# KiCad board pcb.kicad_pcb (continued)
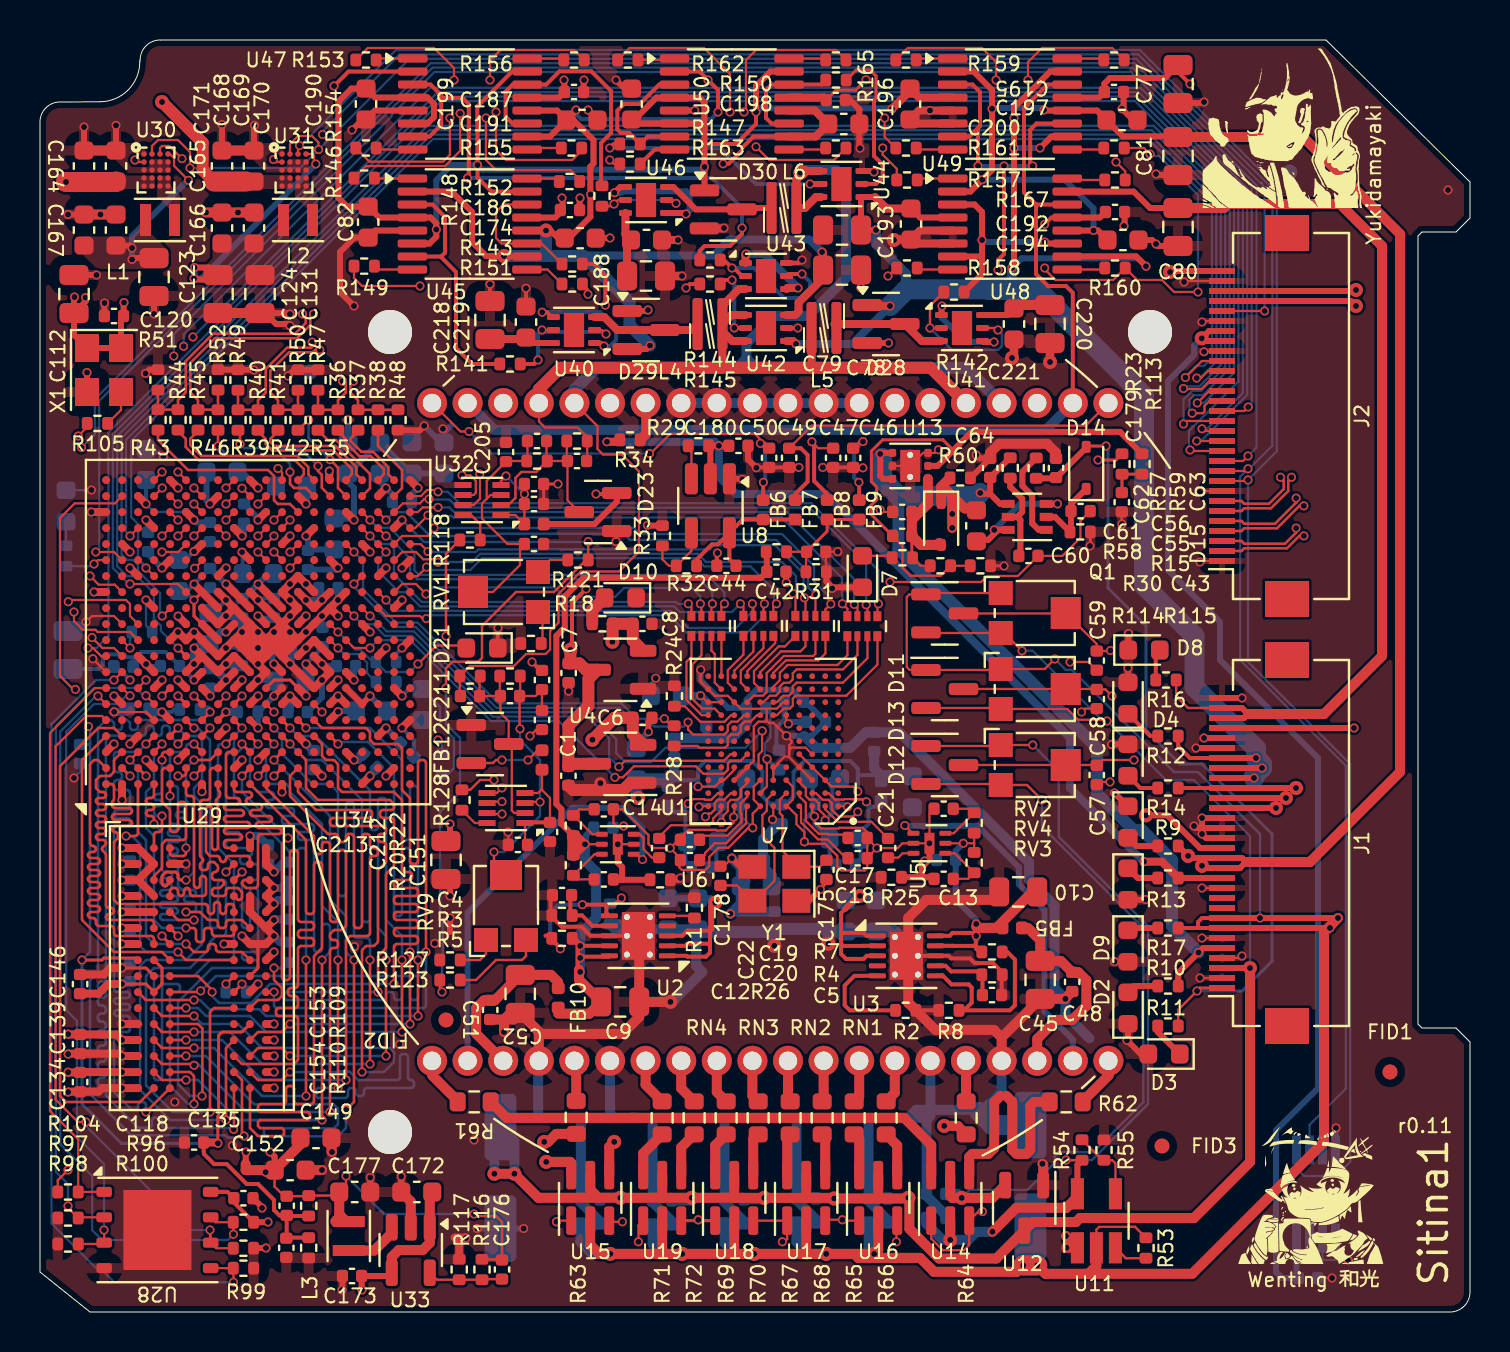
[diagram p0: board, top side]
## Nets (continued)
CSI_D2: RN1.1 U27.Y19
CSI_D3: RN1.2 U27.W18
CSI_D4: RN1.4 U27.Y17
CSI_D5: RN2.1 U27.W16
CSI_D6: RN2.3 U27.Y16
CSI_D7: RN2.4 U27.W15
CSI_D8: RN1.3 U27.Y18
CSI_D9: R28.2 U27.T16
CSI_D10: RN3.1 U27.Y14
CSI_D11: RN3.2 U27.V12
CSI_D12: RN2.2 U27.V18
CSI_D13: RN3.3 U27.V13
CSI_D14: RN3.4 U27.V16
CSI_D15: RN4.2 U27.V17
CSI_HSYNC: RN4.4 U27.U17
CSI_PIXCLK: RN4.1 U27.U18
CSI_VSYNC: RN4.3 U27.W13
DRV_FDG_HI: R167.1 U27.K19
DRV_FDG_LO: R168.2 U27.E18
DRV_V1_PDN_HI: R164.1 U27.J20
DRV_V1_PDN_LO: R165.2 U27.G18
DRV_V1_PLO_HI: R162.1 U27.G19
DRV_V1_PLO_LO: R163.2 U27.J19
DRV_V1_SELL_HI: R155.1 U27.D19
DRV_V1_SELL_LO: R156.2 U27.E17
DRV_V2_PDN_HI: R151.1 U27.H17
DRV_V2_PDN_LO: R152.2 U27.D20
DRV_V2_PHI_HI: R159.1 U27.F17
DRV_V2_PHI_MID: R161.2 U27.G17
DRV_V2_PLO_HI: R153.1 U27.F16
DRV_V2_PLO_LO: R154.2 U27.F20
DRV_V2_SELH_HI: R157.1 U27.G15
DRV_V2_SELH_MID: R158.2 U27.M20
DRV_V2_SELH_PHI_LO: R160.2 R166.2 U27.L19
DRV_V2_SELL_HI: R146.1 U27.E19
DRV_V2_SELL_LO: R149.2 U27.J18
DSI_HS_CKN: R37.2 U27.W20
DSI_HS_CKP: R36.2 U27.V20
DSI_HS_D0N: R41.2 U27.U20
DSI_HS_D0P: R40.2 U27.T20
DSI_HS_D1N: R45.2 U27.P20
DSI_HS_D1P: R44.2 U27.N20
DSI_LP_CKN: R38.2 U27.W19
DSI_LP_CKP: R35.2 U27.U19
DSI_LP_D0N: R42.2 U27.T19
DSI_LP_D0P: R39.2 U27.R19
DSI_LP_D1N: R46.2 U27.P19
DSI_LP_D1P: R43.2 U27.N18
FDG_CCD: U10.22 U10.39 U48.14 U49.14
FPGA_TCK: J2.15 U27.F9
FPGA_TDI: J2.14 U27.G6
FPGA_TDO: J2.13 U27.F6
FPGA_TMS: J2.12 U27.J6
H1BINL_CCD: R64.2 U10.5
H1BINR_CCD: R63.2 U10.16
H1BL_CCD: R68.2 U10.9
H1BR_CCD: R69.2 U10.12
H1SL_CCD: R65.2 U10.8
H1SR_CCD: R72.2 U10.13
H2BL_CCD: R67.2 U10.10
H2BR_CCD: R70.2 U10.11
H2SL_CCD: R66.2 U10.7
H2SR_CCD: R71.2 U10.14
I2C0_SCL: J2.10 U9.2 U27.B13 U31.B1
I2C0_SDA: J2.9 U9.1 U27.B9 U31.A3
I2C1_SCL: U27.C10 U30.B1
I2C1_SDA: U27.C11 U30.A3
MIPI_CKN: J2.7 R37.1 R38.1 R48.2
MIPI_CKP: J2.6 R35.1 R36.1 R47.2
MIPI_D0N: J2.5 R41.1 R42.1 R50.2
MIPI_D0P: J2.4 R39.1 R40.1 R49.2
MIPI_D1N: J2.3 R45.1 R46.1 R52.2
MIPI_D1P: J2.2 R43.1 R44.1 R51.2
PS_POR_B: J2.11 U27.C7
PS_UART_RX: U27.C12
PS_UART_TX: U27.B12
PWREN: J2.26 U30.A2 U31.A2
QSPI_DATA0: R99.2 U27.B8 U28.5
QSPI_DATA1: R97.2 U27.D6 U28.2
QSPI_DATA2: R98.2 U27.B7 U28.3
QSPI_DATA3: R96.2 U27.A6 U28.7
QSPI_SCLK: R100.2 U27.A5 U28.6
QSPI_SS0: R104.2 U27.A7 U28.1
RL_CCD: R62.2 U10.1
RR_CCD: R61.2 U10.20
SDIO_CLK: J2.21 U27.D14
SDIO_CMD: J2.20 U27.C17
SDIO_DAT0: J2.19 U27.E12
SDIO_DAT1: J2.18 U27.A9
SDIO_DAT2: J2.17 U27.F13
SDIO_DAT3: J2.16 U27.B15
SDIO_DET: U27.B14
SPI1_MISO: U27.C6
SPI1_MOSI: U27.E9
SPI1_SCLK: U27.D9
SPI1_SS0: U27.E8
TCON_H1: C58.1 U27.L16
TCON_H2: C59.1 U27.L15
TCON_RG: C57.1 U27.L17
TCON_STROBE: C60.2 C61.2 U27.M15
USB0_CLKOUT: U27.A11
USB0_DATA0: U27.A14
USB0_DATA1: U27.D15
USB0_DATA2: U27.A12
USB0_DATA3: U27.F12
USB0_DATA4: U27.C16
USB0_DATA5: U27.A10
USB0_DATA6: U27.E13
USB0_DATA7: U27.C18
USB0_DIR: U27.C13
USB0_NXT: U27.E16
USB0_STP: U27.C15
VAB_PWM: R23.2 U27.B19
VSUB_CCD: C64.1 D15.1 R60.1 U10.34
XADC_SAMPLE: R118.1 R128.1
XADC_V1_N: U27.N16 U34.6
XADC_V1_P: U27.N15 U34.7
XADC_V2_N: U27.M18 U32.6
XADC_V2_P: U27.M17 U32.7
Net-(C43-Pad1): C43.1 FB8.1 FB9.1 R30.2 R31.1
Net-(C179-Pad2): C179.2 R23.1 R113.2
Net-(D1-A): D1.2 R9.1
Net-(D2-A): D2.2 R10.1
Net-(D3-K): D3.1 R11.1
Net-(D4-K): D4.1 R12.1
Net-(D5-K): D5.1 R13.1
Net-(D6-A): D6.2 R14.1
Net-(D7-A): D7.2 R15.1
Net-(D8-A): D8.2 R16.1
Net-(D9-K): D9.1 R17.1
Net-(D10-A): D10.2 R18.1
Net-(D14-K): C61.1 D14.1 Q1.2 R58.1
Net-(D22-A): D22.2 R56.2
Net-(D23-COM): C203.1 C204.2 D23.3 R119.1 R120.2 U32.2
Net-(D24-COM): C208.2 C209.1 D24.3 R125.2 R126.1 U34.2
Net-(D28-COM): D28.3 L5.2 U41.3
Net-(D29-COM): D29.3 L4.1 U40.3
Net-(D30-COM): D30.3 L6.1 U46.3
Net-(L1-Pad1): L1.1 U30.D3 U30.D4 U30.E3 U30.E4
Net-(L2-Pad1): L2.1 U31.D3 U31.D4 U31.E3 U31.E4
Net-(Q1A-C1): C64.2 Q1.3 Q1.6
Net-(Q1A-E1): Q1.1 R59.1
Net-(Q1B-B2): C60.1 Q1.5 R57.2
Net-(R121-Pad1): R121.1 RV1.3
Net-(R122-Pad2): R122.2 RV1.1
Net-(R123-Pad1): R123.1 RV9.3
Net-(R127-Pad2): R127.2 RV9.1
Net-(R146-Pad2): R146.2 U45.1
Net-(R149-Pad1): R149.1 U45.8
Net-(R151-Pad2): R151.2 U45.9
Net-(R152-Pad1): R152.1 U45.16
Net-(R153-Pad2): R153.2 U47.1
Net-(R154-Pad1): R154.1 U47.8
Net-(R155-Pad2): R155.2 U47.9
Net-(R156-Pad1): R156.1 U47.16
Net-(R157-Pad2): R157.2 U48.1
Net-(R158-Pad1): R158.1 U48.8
Net-(R159-Pad2): R159.2 U49.1
Net-(R160-Pad1): R160.1 U48.9
Net-(R161-Pad1): R161.1 U49.8
Net-(R162-Pad2): R162.2 U50.1
Net-(R163-Pad1): R163.1 U50.8
Net-(R164-Pad2): R164.2 U50.9
Net-(R165-Pad1): R165.1 U50.16
Net-(R166-Pad1): R166.1 U49.9
Net-(R167-Pad2): R167.2 U48.16
Net-(R168-Pad1): R168.1 U49.16
Net-(U2-ILIM): R1.1 U2.5
Net-(U2-PGFB): R5.2 R6.1 U2.6
Net-(U2-SET): C4.1 R3.1 U2.7
Net-(U3-ILIM): R2.1 U3.5
Net-(U3-PGFB): R7.2 R8.1 U3.6
Net-(U3-SET): C5.1 R4.1 U3.7
Net-(U5-IDRV): C13.1 R21.2 U5.4
Net-(U5-ISF): C11.1 R19.2 U5.6
Net-(U5-OUT): C21.2 U5.3
Net-(U6-IDRV): C14.1 R22.2 U6.4
Net-(U6-ISF): C12.1 R20.2 U6.6
Net-(U6-OUT): C22.2 U6.3
Net-(U7-CCDIN_A): C21.1 U7.A2
Net-(U7-CCDIN_B): C22.1 U7.A10
Net-(U7-CLIVDD): C36.1 C37.1 FB4.2 U7.A6
Net-(U7-CLO): C178.2 U7.B6 Y1.3
Net-(U7-LDOIN_A): C38.1 C39.1 FB3.2 U7.B2
Net-(U7-LDOIN_B): C40.1 C41.1 FB2.2 U7.B10
Net-(U7-REFB_A): C18.1 U7.A4
Net-(U7-REFB_B): C20.1 U7.A8
Net-(U7-REFT_A): C17.1 U7.B4
Net-(U7-REFT_B): C19.1 U7.B8
Net-(U7-SYNC): R24.2 U7.H9
Net-(U7-TCVDD): C28.2 FB1.1 U7.B7
Net-(U8-EN): R29.2 U8.3
Net-(U8-NR/FB): R32.2 R33.1 U8.4
Net-(U10-ESD): R34.2 U10.27
Net-(U11-EN): R53.2 U11.3
Net-(U11-NR/FB): R54.2 R55.1 U11.4
Net-(U13-FB): C55.1 R113.1 R114.1 R115.2 U13.2
Net-(U27G-PS_DDR_VRN_502): R108.2 U27.G5
Net-(U27G-PS_DDR_VRP_502): R107.2 U27.H5
Net-(U29-ZQ): R111.2 U29.L8
Net-(U32-DEN): C201.1 C202.2 FB13.1 U32.1 U32.4
Net-(U32-SEN): R118.2 U32.8
Net-(U33-FB): C176.1 R116.1 R117.2 U33.5
Net-(U33-SW): L3.1 U33.3
Net-(U34-DEN): C212.1 C213.2 FB12.1 U34.1 U34.4
Net-(U34-SEN): R128.2 U34.8
Net-(U40A-G): R141.1 U40.2 U40.5
Net-(U40A-S): U40.1 U40.4
Net-(U41A-G): R142.1 U41.2 U41.5
Net-(U41A-S): U41.1 U41.4
Net-(U42A-G): R143.2 U42.2
Net-(U42B-G): R145.2 U42.5
Net-(U43A-G): R144.1 U43.2 U43.5
Net-(U43A-S): U43.1 U43.4
Net-(U44A-G): R150.2 U44.2
Net-(U44B-G): R147.1 U44.5
Net-(U46A-G): R148.1 U46.2 U46.5
Net-(U46A-S): U46.1 U46.4
Net-(X1-OUT): R105.1 X1.3

Pads without a net: J1 MP; J2 MP; U2 4; U3 4; U7 B1 B11 C1 C11 D1 D2 D5 D10 D11 E1 E2 E10 E11 F1 F2 F3 F4 F8 F9 F10 F11 G1 G2 G3 G4 G8 G9 G10 G11 H1 H2 H3 H4 J1 J2 J3 J4 K1 K2 K3 K4 K5 L1 L2 L3 L4 L5 L11; U9 3; U27 A16 A17 A19 A20 B5 B17 B18 B20 C5 C8 C20 D10 D11 D13 D16 D18 E6 E11 E14 F14 F15 F19 G14 G20 H15 H16 H18 H20 J14 J15 J16 K14 K16 K17 K18 L14 L20 M14 M19 N17 P1 P3 P14 P15 P16 P18 R1 R2 R3 R14 R16 R17 R18 T1 T2 T4 T5 T9 T14 T15 T17 U2 U3 U4 U5 U7 U8 U9 U10 U13 U15 V1 V2 V3 V5 V6 V7 V8 V10 V11 V15 W1 W3 W4 W5 W6 W8 W9 W10 W11 W14 Y1 Y2 Y3 Y4 Y6 Y7 Y8 Y9 Y11 Y12 Y13; U29 J1 J9 L1 L9 M7; U40 7; U41 7; U42 7; U43 7; U44 7; U46 7

## Via types
v1: diameter 0.45, hole 0.3, Top to Bottom, 718 vias
v2: diameter 0.7, hole 0.3, Top to Bottom, 46 vias
v3: diameter 0.46, hole 0.3, Top to Bottom, 13 vias

## Routing (per net, layer and track width the routed paths; a pad name or vN(x,y) marks a point on that pad's centre or on a via; arc(x,y) is an arc through that point)
+1V0_PL: length 32.3
  Top w0.11: v1(13.79,57.4) 13.7,57.49 13.7,57.8 13.6,57.9 U31.A4
  Top w0.15: U27.G11 7.7,34.8 v1(7.7,35.6) 8.1,36 U27.G13
  Top w0.3: v1(7.72,52.23) 8.45,52.23 8.82,51.85 C124.1 8.68,51.63 7.75,51.63 v1(7.7,51.68)
  Top w0.4: 14.5,36 v1(14.1,35.6) 13.7,35.2 v1(13.3,35.6) 12.9,36 ; 10.5,35.2 v1(9.3,36.4) 9.7,36 ; U27.H10 U27.G11 ; v1(7.7,36.4) 8.9,35.2 ; v1(10.9,36.4) 12.1,35.2
  Bottom w0.2: v1(7.7,35.6) 7.25,36.05 C128.1 7.36,36.05 v1(7.7,36.4) 8.48,37.18 C125.1
  Bottom w0.3: C119.1 13.94,35.76 v1(14.1,35.6) v1(13.3,35.6) ; C125.1 9.28,36.4 v1(9.3,36.4) 10.02,35.68 C116.1 10.18,35.68 v1(10.9,36.4) 11.43,36.92 C122.1 ; v1(7.72,52.23) 7.72,51.7 v1(7.7,51.68) 8.07,51.68 13.79,57.39 v1(13.79,57.4)
+1V0_PS: length 17.3
  Top w0.11: U30.A4 6.5,57.9 6.7,57.7 6.7,57.31 v1(7.42,56.58)
  Top w0.15: U27.N7 12.5,31.6 11.71,31.6 U27.L7
  Top w0.3: v1(4.6,53.2) 4.47,53.33 C166.1 ; v1(4.6,52.63) 4.68,52.7 C123.1
  Top w0.4: 13.7,32 v1(13.3,32.4) ; 12.9,31.2 v1(13.3,30.8) ; U27.G7 8.11,31.2 v1(8.5,30.8) ; 9.7,31.2 v1(10.1,31.6) ; 14.5,31.2 v1(14.9,31.6)
  Bottom w0.2: C117.1 14.12,33.23 v1(13.3,32.4)
  Bottom w0.3: v1(8.5,30.8) 8.5,30.8 C115.1 ; v1(13.3,32.4) 13.28,32.38 C121.1 13.28,30.83 v1(13.3,30.8) ; v1(4.6,52.63) v1(4.6,53.2) 4.6,53.8 7.38,56.58 v1(7.42,56.58)
  Bottom w0.4: 8.5,31.22 v1(8.5,30.8)
+1V5: length 39.6
  Top w0.11: D12.2 47.99,26.4 RV3.3
  Top w0.12: v1(50.1,25.6) 49.35,26.35 RV3.3
  Top w0.5: U12.2 47.62,5.71 v2(46.09,5.71) 45.61,5.71 45.51,5.81 U14.5
  Bottom w0.12: v1(50.1,25.6) 50.1,24.27 55.17,19.2 55.17,10.5 52.67,8 50.94,8 50.73,7.79 50.73,7.46 49.37,6.1 46.49,6.1 v2(46.09,5.71)
  Bottom w0.5: v2(46.09,5.71) 45.89,5.91 C65.1
+1V8: length 74.8
  Top w0.12: v1(20.3,31.2) 20.3,32.19 20.62,32.51 21.39,32.51 21.4,32.53 21.93,32.53 22.1,32.7 22.1,34.3 23.8,36 25.7,36 27.3,37.6 R121.2 v1(27.41,38.52) ; R123.2 19.99,16.11 v1(20.1,16)
  Top w0.3: J2.30 56.55,52.05 v2(56.5,52)
  Top w0.4: 15.3,40 v1(15.7,39.6) ; 7.3,32 v1(7.7,32.4) 8.1,32.8 8.9,32 v1(9.3,32.4) 9.7,32.8 10.5,32 ; 11.3,34.4 v1(10.9,34.8) ; 12.9,32.8 v1(13.3,33.2) 13.7,33.6 14.5,32.8 ; U27.G9 v1(7.7,33.2) ; 17.7,39.2 v1(18.1,39.6) ; 16.9,36.8 v1(17.3,37.2) ; 9.7,34.4 v1(9.3,34) ; 12.1,32 v1(11.7,32.4) ; 14.5,37.6 v1(14.9,37.2) ; 18.5,41.6 v1(18.9,41.2) ; 12.9,34.4 v1(13.3,34.8) ; 7.3,34.4 v1(6.9,34.8) ; 12.9,40.8 v1(13.3,40.4)
  Bottom w0.12: v1(27.41,38.52) 27.39,38.5 19.2,38.5 v1(18.1,39.6) ; v1(20.3,31.2) 20.3,29.4 21,28.7 21,26 20,25 20,19.64 20.13,19.51 20.13,17.44 20.1,17.4 v1(20.1,16)
  Bottom w0.2: C83.1 10.98,34.72 v1(10.9,34.8) ; v1(4.5,31.6) 3.82,32.28 3.66,32.28 ; v1(7.7,33.2) 7.91,33.4 C129.1
  Bottom w0.3: v1(9.3,32.4) 9.38,32.32 C126.1 ; C127.1 11.62,32.48 v1(11.7,32.4) ; C133.1 C132.1 ; C132.1 18.55,41.93 C184.1 16.95,43.48 C185.1 15.4,41.5 15.7,41.2 v1(15.7,39.6) 15.62,39.68 C130.1 ; C132.1 18.6,41.5 v1(18.9,41.2) 18.58,40.88 C156.1 ; C155.1 14.82,37.12 v1(14.9,37.2)
  Bottom w0.4: v1(7.7,32.4) 7.7,33.19 v1(7.7,33.2) ; C129.1 9.05,34 v1(9.3,34) ; v1(13.3,40.4) 13.3,41.25 C157.1
+1V8A: length 24.7
  Top w0.11: U7.H5 37.31,29.52 v3(37.42,29.41) ; U7.J10 U7.J11 33.36,30.49 v1(33.03,30.82)
  Top w0.6: U1.2 29.64,28.88 C6.1 28.72,29.71 v2(27.62,28.61)
  In2.Cu w0.6: v1(33.03,30.82) 33.79,30.06 33.79,29.69 33.91,29.81 36.98,29.81 37.34,29.45 37.42,29.45
  In2.Cu w1: 33.79,29.69 32.21,28.11 28.12,28.11 v2(27.62,28.61)
  Bottom w0.11: 37.6,29.52 37.49,29.41 v3(37.42,29.41)
  Bottom w0.2: 37.14,29.51 37.12,29.51 36.83,29.22 36.83,28.21 FB1.2 ; 37.14,29.51 37.23,29.61 37.23,30.21 ; 37.14,29.51 37.32,29.51 v3(37.42,29.41)
  Bottom w0.3: C27.2 37.23,29.6 v3(37.42,29.41) 37.52,29.51 C33.2
  Bottom w0.4: C35.2 33.02,30.81 v1(33.03,30.82) 33.32,30.53 C34.2
+1V35: length 63.9
  Top w0.12: C152.1 11.73,6.27 12.21,5.79 C153.1 13.41,5.79 R109.1 14.78,5.82 C177.1 15.3,6.34 v1(15.3,6.8) ; R116.2 23.07,2.64 C176.2 23.1,4.5 22.8,4.8 21.8,4.8 v1(21.7,4.9)
  Top w0.15: v1(4.1,16.4) 5.26,16.4 arc(5.3,16.39) 5.33,16.37 5.7,16 6.07,16.37 arc(6.09,16.4) 6.1,16.44 6.1,17.16 arc(6.09,17.2) 6.07,17.23 5.7,17.6
  Top w0.3: v1(10.3,8) 10.28,7.98 10.28,7.4 ; v1(11.5,8) 11.73,7.77 C152.1 ; 20.5,23.55 v1(20.5,24.4)
  Top w0.4: 3.3,28 v1(3.7,28.4) ; 8.9,28.8 v1(9.3,29.2) ; 14.5,29.6 14.9,30 v1(14.9,30.02) ; 4.9,21.6 4.11,21.6 v1(4.1,21.6) ; 4.9,21.6 5.7,20.8 ; 4.9,21.6 5.7,22.4 4.9,23.2 v1(4.1,23.2) ; 9.7,18.4 v1(9.2,18.4) ; 4.9,13.6 v1(4.1,13.6) 3.82,13.88 C139.1 1.42,13.88 v1(1.4,13.9) ; 5.7,27.2 v1(5.3,27.6) ; 4.9,19.2 v1(4.1,19.2) ; 6.5,29.6 v1(6.1,30) ; 4.24,12 2.02,12 C134.1 1.42,11.98 v1(1.4,12) ; 4.24,12 U29.R1 ; 4.24,12 v1(4.1,12) ; 11.3,13.6 v1(11.7,13.6) ; 11.3,20 v1(11.7,20.4) 11.3,20.8 v1(11.7,21.2) 11.3,21.6 ; 11.3,28 v1(10.9,27.6) ; 8.1,26.4 v1(8.1,26.02) ; 10.5,16 v1(10.9,16.4) ; 13.7,27.2 v1(14.1,26.8) ; 16.1,26.4 v1(16.5,26.8) ; 11.3,12 v1(11.7,12) ; 10.5,23.2 v1(10.5,23.8) ; 16.9,28.8 v1(17.3,29.2) ; 11.3,17.6 v1(11.7,18) ; C146.1 2.92,15.92 3.41,16.4 v1(4.1,16.4)
  Top w0.5: C149.1 13.03,8.39 C152.1 10.29,7.1 10.28,7.1 10.28,7.4 ; 14.76,4.53 L3.2 15.31,4.53 14.96,4.88 ; 14.96,5.68 14.96,4.55
  Bottom w0.12: v1(21.7,4.9) 17.2,4.9 v1(15.3,6.8)
  Bottom w0.2: v1(6.1,30) 6.58,30 6.71,30.13 R108.1
  Bottom w0.3: v1(14.9,30.02) 14.94,30.05 C148.1 ; v1(17.3,29.2) 18.01,28.49 C145.1
  Bottom w0.4: 11.4,23.32 10.95,23.77 arc(10.92,23.79) 10.88,23.8 v1(10.5,23.8) ; 16.84,27.18 16.5,26.83 v1(16.5,26.8) ; C138.1 5.61,30 v1(6.1,30) ; v1(11.7,20.4) 11.9,20.6 C137.1 C147.1 12.07,21.2 v1(11.7,21.2) ; v1(14.1,26.8) 13.7,27.2
  vias: v1(11.28,6.99)
+2V: length 105.8
  Top w0.11: D11.2 44.33,33.95 RV2.3 48.21,33.95 v1(49.1,33.06) ; D13.2 47.99,30.2 RV4.3 51.37,30.15 51.91,29.61 53.29,29.61 v1(53.35,29.55)
  Top w0.3: v2(60.5,17.2) J1.3
  Top w0.5: v2(32.59,5.71) 34.72,5.71 ; 34.72,5.71 34.71,5.72 U18.5 ; 34.72,5.71 35.12,5.71 35.12,5.71 v2(36.21,5.71) 38.32,5.71 ; 32.46,5.71 31.12,5.71 ; U19.5 31.11,5.72 31.12,5.71 ; U16.5 41.91,5.69 41.92,5.68 ; 31.12,5.71 v2(29.02,5.71) 27.92,5.71 ; 27.92,5.71 27.51,6.12 U15.5 ; 27.92,5.71 24.92,5.71 v2(23.72,6.91) v2(22.72,6.91) ; 38.32,5.71 39.68,5.71 v2(39.71,5.68) 41.92,5.68 ; 38.32,5.71 38.31,5.71 U17.5 ; v2(60.5,17.2) 60.5,7.5 57.7,4.7 52,4.7 51.8,4.5 49.64,4.5 U12.3 47.82,2.68 44.95,2.68 43.47,4.16 43.47,5.66 v2(43.42,5.71) 43.39,5.68 41.92,5.68
  Bottom w0.11: v1(49.1,33.06) 49.64,33.06 53.15,29.55 v1(53.35,29.55) 56.3,26.6 57.7,26.6 60.5,23.8 v2(60.5,17.2)
  Bottom w0.5: C67.1 28.09,5.71 v2(29.02,5.71) ; C69.1 36.14,5.63 v2(36.21,5.71) ; C70.1 32.59,5.58 32.59,5.58 ; v2(43.42,5.71) 43.39,5.68 C68.1 ; v2(22.72,6.91) 22.72,8.95 C53.1 23.72,8.55 v2(23.72,6.91) ; v2(39.71,5.68) C66.1
+3V0: length 57.2
  Top w0.11: v3(32.9,26.27) 33.74,26.27 U7.C10 34.2,26.59 34.71,27.1 U7.D9 ; 37.96,27.89 U7.D3 U7.C2 39.58,26.27 40.65,26.27 v1(40.89,26.03)
  Top w0.6: v2(28.62,33.51) 28.63,33.52 R18.2 C8.1 29.64,33.58 U4.2
  In2.Cu w1: v2(28.62,33.51) 28.62,31.46 25.92,28.76 25.92,26.91 27.22,25.61 29.62,25.61 30.28,26.27 v3(32.9,26.27) 33.36,26.27 33.46,26.17 39.31,26.17 ; 39.31,26.17 40.74,26.17 40.63,26.29 39.43,26.29 39.31,26.17
  Bottom w0.2: 32.9,26.69 v3(32.9,26.27) ; 32.9,26.69 32.8,26.59 31.39,26.59 ; 32.9,26.69 32.9,27.18 33.27,27.55 35.6,27.55 36.12,27.03 36.12,25.8 36.5,25.42 37.32,25.42 37.68,25.77 37.68,27.01 38.22,27.55 40.51,27.55 40.89,27.17 40.89,26.82 ; 40.89,26.82 40.92,26.84 41.81,26.84 ; 40.89,26.82 v1(40.89,26.03)
  Bottom w0.5: C31.2 31.71,26.91 31.39,26.59 ; C29.2 43.56,26.84 42.06,26.84 41.71,27.19 C32.2
  Bottom w0.6: v2(29.91,25.7) 29.82,25.79 C30.2 31.34,26.63 31.39,26.59
+3V3: length 129
  Top w0.12: R104.1 0.89,6.59 v1(1.4,7.1)
  Top w0.15: v1(41.3,61.61) 40.78,61.1 39.81,61.1 C198.2
  Top w0.2: v1(50.24,54.39) 50.57,54.73 51.36,54.73 ; C77.2 56.9,62 v1(57.5,61.4) ; R96.1 9.69,5.48 C118.2 9.38,6.01 U28.8
  Top w0.3: R96.1 11.39,4.49 v1(11.4,4.5) ; v1(2.28,50.73) 2.28,50.53 C112.2 ; 24.35,54.73 25.76,54.73 26.13,55.1 26.13,55.67 v1(26.1,55.7) ; U33.4 17.43,1.8 C173.2 16.08,1.12 v1(16.1,1.1) ; v1(26.2,61.6) 26.22,61.58 C187.2 25.94,60.73 24.36,60.73 ; 51.36,54.73 53,54.73 C192.2 ; J2.23 58.22,48.55 v2(58.09,48.69) 58.45,49.05 J2.24 ; 51.36,60.73 52.94,60.73 C195.2 53.22,61.42 53.5,61.7 56.25,61.7 C77.2 ; v1(4.2,50.48) 4.18,50.46 C120.2 4.05,49.67 X1.4 X1.1 1.7,48.85 C112.2 ; C112.2 1.7,50.73 v1(1.72,50.75)
  Top w0.4: 5.7,31.2 v1(6.1,31.6) ; 14.5,30.4 v1(14.9,30.8) 15.3,30.4 ; 9.7,39.2 v1(10.1,38.8) ; 10.5,41.6 v1(10.9,41.2) ; 15.3,32 v1(15.7,31.6) ; 5.7,35.2 v1(5.3,35.6) ; v1(9.3,37.2) 9.3,37.2 8.9,36.8 ; 6.5,37.6 v1(6.1,37.2) ; 7.3,40 v1(7.7,39.6) ; 12.1,38.4 v1(12.5,38.8) ; 12.1,30.4 v1(12.5,30.8) 12.9,30.4 ; 37.45,60.73 39.19,60.73 C198.2 ; 10.5,30.4 v1(10.9,30.8) ; 4.1,38.4 v1(4.5,38) ; 17.7,31.2 v1(18.1,30.8) ; 18.5,33.6 v1(18.1,33.2) ; 4.9,40.8 v1(5.3,40.4) ; 16.1,34.4 v1(16.5,34) ; 3.3,36 v1(2.7,36) ; 4.1,30.4 v1(3.7,30.8)
  Top w0.5: U33.4 17.59,2.75 17.94,3.1 19.14,3.1 19.49,3.45 U33.1 19.49,5.88 C172.1
  Bottom w0.11: R112.1 5.3,34.31 v1(5.3,35.6)
  Bottom w0.12: R103.1 20.39,26.89 20.7,27.2 20.7,28.67 20,29.37 20,30.25 C163.1 ; v1(5.3,40.4) 5.7,40 7.3,40 v1(7.7,39.6)
  Bottom w0.2: R102.1 17.82,31.08 v1(18.1,30.8) 18.45,31.15 C163.1 ; v1(18.1,33.2) 17.81,32.91 R101.1 ; 7.68,39.62 v1(7.7,39.6) ; 5.3,41.43 v1(5.3,40.4)
  Bottom w0.3: v1(6.1,37.2) 5.4,37.9 C161.1 ; v1(15.7,31.6) 15.7,32.21 C162.1 ; v1(10.9,41.2) 10.3,41.8 9.88,41.8 ; C158.1 7.82,39.48 v1(7.7,39.6) ; 62.82,3.7 62.82,1.8 C181.2 62.1,1.7 61.8,2 61.8,9.09 63.9,11.19 63.9,27.7 59,32.6 59,34.5 56.4,37.1 56.4,46.55 57.71,47.86 57.71,48.31 v2(58.09,48.69) ; C159.1 10.2,38.9 v1(10.1,38.8)
  Bottom w0.4: C110.2 12.5,30.1 v1(12.5,30.8)
+3V3A: length 71.6
  Top w0.12: v1(23.1,27.6) 22.8,27.6 22.65,27.45 D24.2 ; v1(24.4,27.6) 24.88,28.09 FB12.2
  Top w0.2: D23.2 28.79,40.9 v1(27.8,40.9) ; v1(27.3,36.15) 26.6,35.45 26.6,33.46 26.52,33.38 v2(26.52,33.11)
  Top w0.3: v2(55.3,24.83) 56.37,24.83 58,23.2 J1.15 ; FB13.2 27.72,39.4 28.84,40.51 D23.2
  Top w0.6: U1.3 26.54,27.41 C1.1 26.42,29.31 27.42,30.31 27.42,31.65 U4.3 27.31,32.11 27.3,32.1 26.97,32.43 C7.1 26.52,32.52 v2(26.52,33.11)
  In2.Cu w0.12: v2(26.52,33.11) 23.1,29.69 v1(23.1,27.6)
  In2.Cu w0.2: v1(27.3,36.15) 27.3,36.2 27.9,36.8 27.9,40.8 v1(27.8,40.9)
  In2.Cu w0.3: v2(26.52,33.11) 27.68,34.27 44.73,34.27 51.8,27.2 51.8,27.19 54.16,24.83 v2(55.3,24.83)
  Bottom w0.12: v1(24.4,27.6) v1(23.1,27.6)
+5V: length 51.6
  Top w0.12: R16.2 56.81,30.79 57.4,30.2 J1.29
  Top w0.3: C80.2 55.5,55.2 54.68,56.02 51.37,56.02 U48.15 ; J1.28 60.2,29.7 60.4,29.9 60.1,30.2 J1.29
  Top w0.5: 60.4,29.9 64.2,29.9 67.1,32.8 67.1,53.3 65,55.4 59.4,55.4 59.2,55.2 C80.2
+8V: length 167
  Top w0.2: J1.21 R14.2 ; v1(34.15,57.41) 34.43,57.41 35.1,58.08 35.1,58.2 35.68,58.78 U50.10 ; U50.2 32.97,62.03 33.9,61.1 v1(33.9,60) ; v1(14.7,61.3) 15.43,62.03 U47.2
  Top w0.3: D29.2 30.32,48.15 v1(30.5,48.33) ; C191.2 26.67,59.6 27.68,58.6 27.68,57.43 27.52,57.27 27.52,54.76 26.45,53.7 25.91,53.7 25.53,54.08 U45.12 ; C191.2 26.32,59.63 v1(26.8,60.1) ; C191.2 25.5,58.78 U47.10 ; C191.2 25.85,60.08 U47.12 ; J1.21 v2(62.8,26.2) ; D28.2 v1(42.43,48.45) ; J1.19 v2(61.8,25.2) ; U45.2 20.57,56.03 21.6,55 21.6,53.5 22.3,52.8 v2(23.2,52.8) 23.22,52.78 U45.10 ; J1.20 v2(62.3,25.7)
  Top w0.4: v1(39.1,53) 39.15,52.95 C79.2 39.15,51.69 37.93,50.47 37.93,50.03 37.75,49.85 U42.3 ; U50.10 38.79,58.78 C200.2 38.74,60.08 U50.12
  In2.Cu w0.2: v1(33.4,61.6) 32.97,62.04 15.44,62.04 v1(14.7,61.3) ; v1(34.15,57.41) 34.15,57.3 33.65,56.8 28.45,56.8 v1(27.53,55.88)
  In2.Cu w1: v2(61.8,25.2) v2(62.8,26.2) 62.8,34.5 55.55,41.75 55.55,45.5 50.88,50.18 47.2,50.18 45.28,48.25 42.62,48.25 v1(42.43,48.45) 41.54,47.57 31.26,47.57 v1(30.5,48.33)
  Bottom w0.2: v1(26.8,60.1) 26.8,59.9 27.06,59.64 33.56,59.64 33.9,59.98 v1(33.9,60)
  Bottom w0.4: v1(39.1,53) 38.47,53.63 34.47,53.63 33.68,52.83 27.2,52.83 27.18,52.8
  Bottom w0.6: v1(30.5,48.33) 29.47,49.35 29.47,50.5 27.18,52.8 25.3,52.8 ; 25.3,52.8 v2(23.2,52.8) ; 25.3,52.8 v2(25.3,54.08)
+15VL: length 47.3
  Top w0.11: U6.5 v1(27.25,23.39) 26.7,23.39 26.67,23.36 ; 26.67,23.36 R20.1 ; 26.67,23.36 R22.1
  Top w0.2: U2.10 28.43,17.77 26.99,17.77 26.9,17.67 ; 26.55,18.81 26.61,18.81 27,18.42 ; 27,18.42 27.11,18.31 U2.9 ; 27,18.42 26.9,18.31 26.9,17.67 ; 26.9,17.67 26.9,17.17 26.95,17.12
  Top w0.3: v1(27.25,23.39) 27.09,23.39 26.07,24.41 26.07,25.15 25.82,25.4 25.82,33.81 26.24,34.23 26.24,35.78 27.17,36.71 36.04,36.71 C42.1 36.34,37.98 R30.1
  Top w0.4: R22.1 26.83,23.81 v1(27.25,23.39) 26.72,22.85 R20.1
  Top w0.5: 26.95,17.12 26.95,16.62 C9.1 27.47,14.92 25.91,14.92
  Top w0.6: R20.1 R22.1
  Bottom w0.3: v1(27.25,23.39) 27.3,23.44 27.3,23.84 C16.1
  Bottom w0.5: v1(27.25,23.39) 27.25,22.56 27.81,22.01 27.81,19.71 27.01,18.91 v1(27.01,17.01)
  vias: v1(27.01,18.31) v1(27.01,17.71)
+15VR: length 17.4
  Top w0.11: 46.71,23.44 v1(46.16,23.44) U5.5 ; 46.71,23.44 R19.1 ; 46.71,23.44 R21.1
  Top w0.2: 47.09,17.88 46.8,18.17 46.8,18.41 ; U3.10 45.48,18.81 45.63,18.95 46.71,18.95 46.8,19.05 ; 46.8,18.41 46.7,18.3 45.63,18.3 45.62,18.31 U3.9 ; 46.8,18.41 46.8,19.05 ; 46.8,19.05 46.8,19.28
  Top w0.5: 46.8,19.28 46.87,19.21 47.82,19.21 49.62,21.01 C10.1
  Bottom w0.3: 46.81,18.61 v1(46.81,19.41) 46.81,19.61 45.78,20.63 C15.1 45.78,23.05 v1(46.16,23.44)
  vias: v1(46.81,18.81)
+16V: length 134.7
  Top w0.2: 40.05,18.92 40.05,19.95 40.26,20.16 ; 40.05,18.92 40.05,18.66 ; 40.05,18.92 40.09,18.95 41.18,18.95 41.33,18.81 U3.1 ; U2.1 32.32,17.81 32.37,17.77 33.3,17.77 33.5,17.97 33.5,18.06 ; 33.5,18.06 33.5,18.31 33.39,18.42 32.37,18.42 32.26,18.31 U2.2 ; 33.5,18.06 33.5,19.07 ; U3.3 41.34,17.81 41.18,17.65 40.3,17.65 40.05,17.9 40.05,18.66 ; 40.05,18.66 40.05,18.41 40.16,18.3 41.18,18.3 41.19,18.31 U3.2 ; U2.3 32.11,18.81 32.37,19.07 33.49,19.07 33.5,19.07 ; 33.56,19.13 33.5,19.07
  Top w0.3: U48.2 46.53,56.03 47.6,57.1 v1(47.6,60.16) 47.6,61.1 46.68,62.03 U49.2 ; 40.26,20.16 40.91,20.81 v2(41,20.81) ; C194.2 52.9,54.08 U48.12 ; 33.56,19.13 33.56,20.27 v2(33.76,20.47) ; v2(58.1,22.31) 58.21,22.2 J1.13 60,22.2 60.3,22.5 60.1,22.7 J1.14 57.51,22.7 v2(57.41,22.81) R9.2 ; C81.2 56.87,58.78 54.15,58.78 C197.2 52.85,60.08 U49.12 50.22,60.08 v1(50.2,60.1)
  Top w0.5: 60.3,22.5 63.5,22.5 68,27 68,53.9 63.15,58.75 C81.2
  In3.Cu w1: 33.69,20.4 v2(33.76,20.47) 35.3,22.01 39.8,22.01 v2(41,20.81) 44.06,20.81 44.93,21.68 56.9,21.68 57.41,22.18 v2(57.41,22.81) 57.9,22.31 v2(58.1,22.31)
  Bottom w0.3: 31.22,20.68 32.12,20.68 ; 32.12,20.68 33.54,20.68 v2(33.76,20.47) ; 32.12,20.68 32.76,20.68 32.81,20.73 ; v1(47.6,60.16) 47.64,60.2 50.1,60.2 v1(50.2,60.1) ; v1(47.11,56.61) 51.24,56.61 52.68,55.18 v1(52.68,54.08) ; C3.1 41.58,20.81 v2(41,20.81) 40.53,20.81 C183.1
+16VD: length 51.9
  Top w0.3: 47.51,40.91 48.01,40.41 Q1.4 ; 47.51,40.91 C62.2 48.5,42.72 R57.1 ; 47.51,40.91 47.06,40.91 v1(47.01,40.95) ; U13.4 42.06,42.96 v1(42.01,42.91) 42.01,41.81 42.16,41.66 U13.6 ; J1.5 58.15,18.2 v1(57.93,17.98) 56.91,16.96 R10.2
  In2.Cu w0.6: v1(42.01,42.91) 42.01,41.49 42.47,41.03 47.01,41.03
  Bottom w0.6: v1(57.93,17.98) 56.6,19.3 56.6,22.6 55.1,24.1 54.68,24.1 52.87,25.91 52.87,28.2 42.92,38.14 42.92,40.81
  Bottom w1: 42.11,42.71 42.11,41.62 42.92,40.81 46.87,40.81 v1(47.01,40.95)
-3V5: length 43.6
  Top w0.11: v1(49.64,28.35) RV3.1 47.99,28.3 D12.1
  Top w0.12: v1(51.3,7.6) 51.31,7.59 R54.1
  Top w0.3: R54.1 51.87,7.36 U11.5
  Top w0.5: v1(47.62,4.01) 48.82,5.21 51.32,5.21 51.87,5.76 ; v2(45.51,3.61) U14.2
  Bottom w0.12: v1(51.3,7.6) 52.6,7.6 55.4,10.4 55.4,19.3 50.94,23.76 50.94,27.05 v1(49.64,28.35)
  Bottom w0.5: v1(47.62,4.01) 46.82,4.01 46.42,3.61 v2(45.51,3.61) 45.12,3.61 44.33,4.4 C76.2
-4V: length 148.6
  Top w0.11: RV2.1 44.37,35.95 D11.1 43.47,35.88 43.34,35.75 43.34,32.25 43.49,32.1 D13.1 47.99,32.1 RV4.1 50.24,32.15 v1(50.74,32.65) ; 54.5,4.26 52.96,4.26 52.82,4.12 52.82,3.06
  Top w0.12: R53.1 54.75,4.26 54.5,4.26
  Top w0.2: J1.8 58.1,19.7 57.9,19.5 57.9,19.2 ; 57.9,19.2 J1.7 ; 57.9,19.2 R17.2
  Top w0.3: J1.27 v1(65.7,29.2) ; J1.8 v1(61,19.7) v1(64.9,19.7) ; J1.7 v1(64.5,19.2)
  Top w0.5: 52.42,1.91 52.82,2.31 U11.2 ; 52.42,1.91 57.61,1.91 64.2,8.5 64.2,19 v1(64.9,19.7) ; 52.42,1.91 50.28,1.91 ; U17.2 38.31,2.91 ; 38.31,2.91 34.71,2.91 ; 38.31,2.91 40.71,2.91 ; U15.2 27.51,3.36 27.96,2.91 30.71,2.91 ; U16.2 41.91,3.11 v2(41.71,2.91) 40.71,2.91 ; v3(49.86,2.33) 50.05,2.15 ; 50.05,2.15 50.28,1.91 ; 50.05,2.15 50.28,1.91 ; U19.2 31.11,2.91 30.71,2.91 ; 34.71,2.91 30.71,2.91 ; 34.71,2.91 U18.2 ; 40.71,2.91 40.91,2.71 44,2.71 44.7,2.01 48.84,2.01 v3(49.16,2.33)